# Altium PCB PCB1.PcbDoc
Units mm, origin at the board's own origin, x right, y up, seen from the top; angles counter-clockwise.
Board outline 130 x 33 mm, 2 copper layers (Top Layer, Bottom Layer), stack 1.171 mm thick; 9 components, 17 nets, 73 pads, 16 vias.
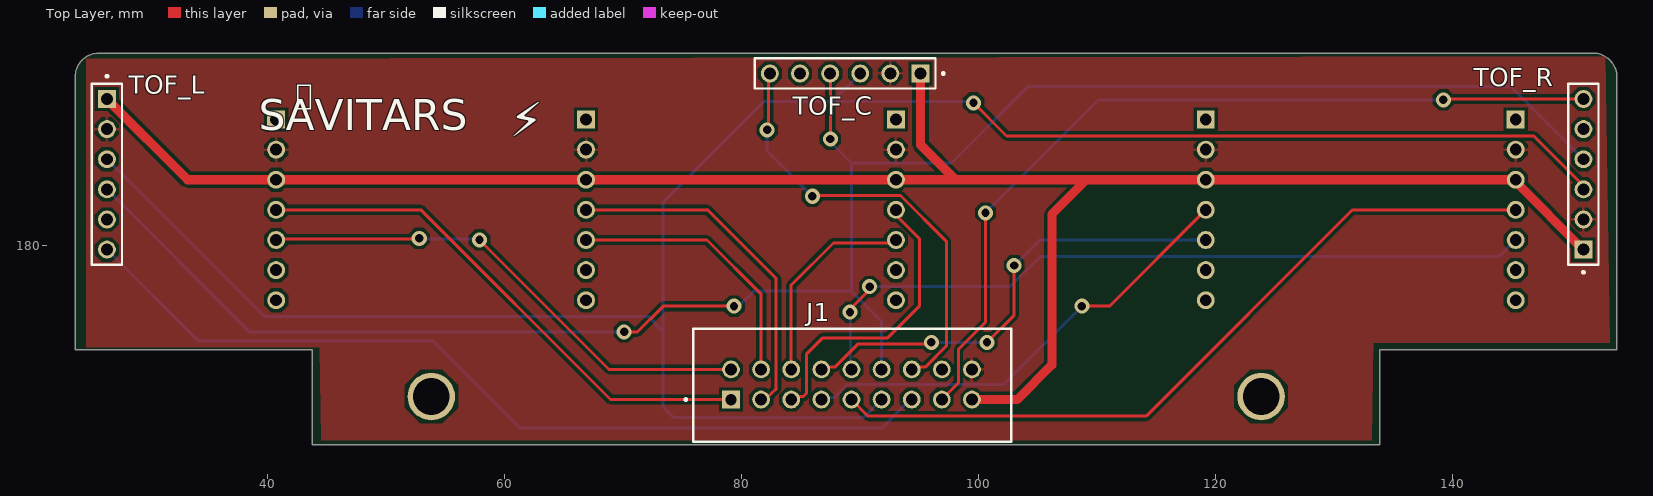
[diagram p0: Top Layer view]
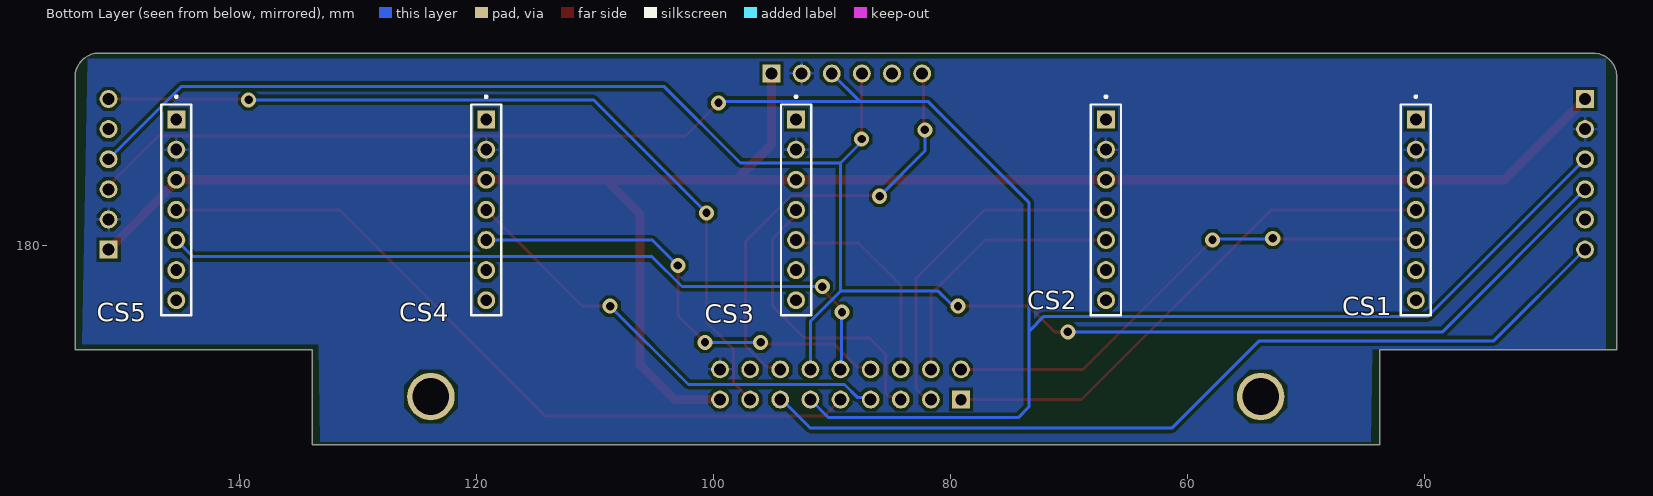
[diagram p1: Bottom Layer view, seen from below]
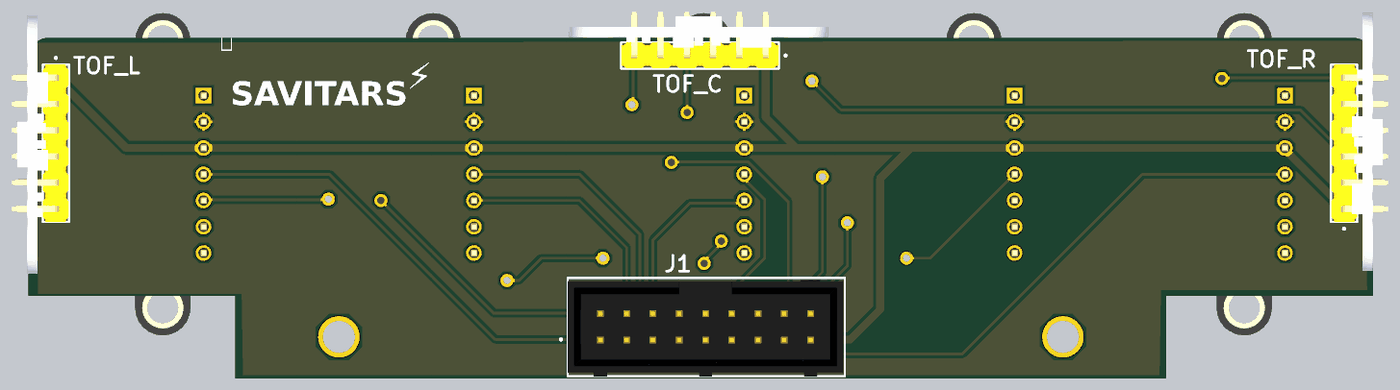
[diagram p2: 3D render of the assembled board from above, using the file's embedded part models]
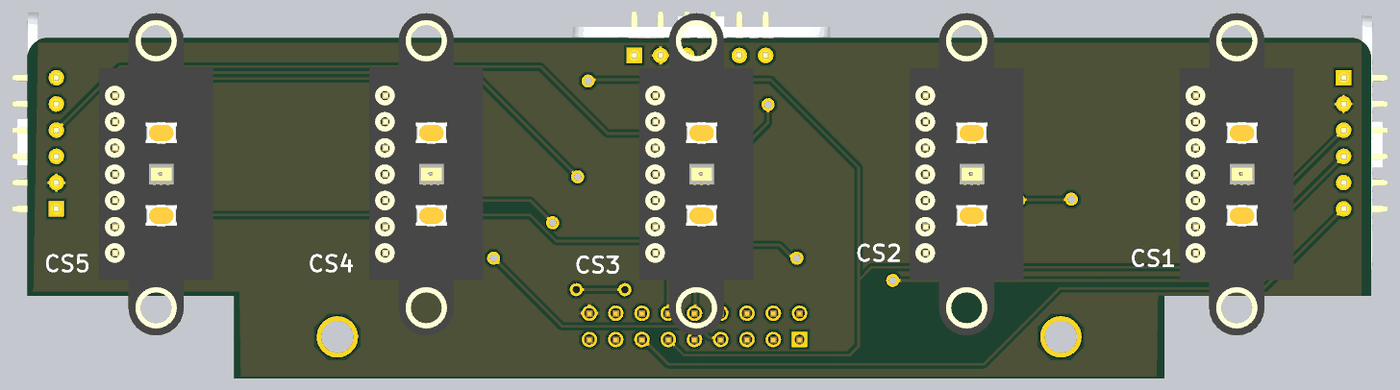
[diagram p3: 3D render of the assembled board from below, using the file's embedded part models]

## Layer stack, top to bottom
Top Solder: solder mask 0.0102, Solder Resist, Dk 3.5
Top Layer: signal copper 0.0356
Dielectric 1: dielectric 1.1, FR-4, Dk 4.8
Bottom Layer: signal copper 0.0356
Bottom Solder: solder mask 0.0102, Solder Resist, Dk 3.5

## Board outline
23.819,171.215 23.819,194.215 cw(c25.819,194.215) 25.819,196.215 151.819,196.215 cw(c151.819,194.215) 153.819,194.215 153.819,171.215 133.819,171.215 133.819,163.215 43.819,163.215 43.819,171.215

## Design rules (kind name [scope] priority, off if disabled: settings)
Clearance Clearance_6 [All] p1: gap=0.254 ignorepadtopadclearanceinfootprint=FALSE
Clearance Clearance_5 [All] p2: gap=0.254 ignorepadtopadclearanceinfootprint=FALSE
Clearance Clearance_4 [All] p3: gap=0.254 ignorepadtopadclearanceinfootprint=FALSE
Clearance Clearance_3 [All] p4: gap=0.254 ignorepadtopadclearanceinfootprint=FALSE
Clearance Clearance_2 [All] p5: gap=0.254 ignorepadtopadclearanceinfootprint=FALSE
Clearance Clearance_1 [All] p6: gap=0.254 ignorepadtopadclearanceinfootprint=FALSE
Clearance [All] p7: gap=0.254 ignorepadtopadclearanceinfootprint=FALSE
HoleSize [All] p1: absolutevalues=TRUE maxlimit=5 minlimit=0.025 maxpercent=80.000 minpercent=20.000
PolygonConnect [All] p1: connectstyle=Relief reliefconductorwidth=0.254 reliefentries=4 polygonreliefangle="90 Angle" airgapwidth=0.254
RoutingVias [All] p1: holewidth=0.711 width=1.27 viastyle="Through Hole" minholewidth=0.711 minwidth=1.27 maxholewidth=0.711 maxwidth=1.27
SolderMaskExpansion [All] p1: expansion=0.102 istentingtop=FALSE
Width Power_Width [InNet('VCC')] p1: maxlimit=0.762 minlimit=0.508 preferedwidth=0.762 minimp=50.000000 maximp=50.000000 favimp=50.000000
Width [All] p2: maxlimit=0.254 minlimit=0.254 preferedwidth=0.254
29 further rules are at their usual default settings.

## Components (designator, comment, footprint, x,y, rotation, side; value= is the part's Value field where it differs from the comment)
CS1 "7 pin header" "7 pin header holes" 40.767,183 r270 bottom locked
CS2 "7 pin header" "7 pin header holes" 66.897,183 r270 bottom locked
CS3 "7 pin header" "7 pin header holes" 93.027,183 r270 bottom locked
CS4 "7 pin header" "7 pin header holes" 119.158,183 r270 bottom locked
CS5 "7 pin header" "7 pin header holes" 145.288,183 r270 bottom locked
J1 "18pin IDC" "IDC 18 pin" 90.551,168.275 r0 top locked
TOF_C "6 pin header" "6 pin header" 88.75,194.5 r180 top locked
TOF_L "6 pin header" "6 pin header" 26.5,186 r270 top locked
TOF_R "6 pin header" "6 pin header" 151,186 r90 top

## Footprints (in the part's own frame and the unit in brackets; to place one, negate y for a bottom-side part, rotate by r counter-clockwise, add the part's x,y. Pads: shape width x height; smd on the part's side, far side on the other; paste and mask are expansions set on the pad)
"6 pin header" [mm]
  round 1.508 hole 1: GND(-3.81,0) GPIO1(3.81,0) SCL(-1.27,0) SDA(1.27,0) XSHUT(6.35,0)
  rect 1.508x1.508 / inner round 1.508 / far side rect 1.508x1.508 hole 1: VCC(-6.35,0)
  silkscreen extent -8.37,-1.27 7.62,1.27, body extent -12.36,-4.27 12.62,1.23, height 13.75
"7 pin header holes" [mm]
  round 1.508 hole 1: 3V3(-2.54,0) GND(-5.08,0) INT(5.08,0) LED(7.62,0) SCL(0,0) SDA(2.54,0)
  rect 1.508x1.508 / inner round 1.508 / far side rect 1.508x1.508 hole 1: VIN(-7.62,0)
  silkscreen extent -9.64,-1.27 8.89,1.27, body extent -15.59,-1.56 15.59,9.44, height 8.08
"IDC 18 pin" [mil]
  round 59 hole 39.5: GND(350,50) NULL(250,50) SCL2(-350,-50) SCL3(-250,-50) SCL4(-150,-50) SCL5(-50,-50) SCLTOF(50,-50) SDA1(-450,50) SDA2(-350,50) SDA3(-250,50) SDA4(-150,50) SDA5(-50,50) SDATOF(50,50) VCC(350,-50) XSHUT1(150,-50) XSHUT2(150,50) XSHUT3(250,-50)
  rect 59x59 / inner round 59 / far side rect 59x59 hole 38: SCL1(-450,-50)
  silkscreen extent -604,-190 480,185, body extent -575,-192 475,177, height 365

## Part data
CS1 CS2 CS3 CS4 CS5: "14 Position Header Connector Male Pin Gold", Package=None, Check_prices=https://www.snapeda.com/parts/TS-114-G-AA/Samtec/view-part/?ref=eda, MF=Samtec, MP=TS-114-G-AA, SnapEDA_Link=https://www.snapeda.com/parts/TS-114-G-AA/Samtec/view-part/?ref=snap
J1: "Slim Body Double-Row IDC Male Assemblies, 0.100 Pitch", Package=None, Check_prices=https://www.snapeda.com/parts/IDMD-10-S-07.00-G/Samtec/view-part/?ref=eda, MF=SAMTEC, MP=IDMD-10-S-07.00-G, SnapEDA_Link=https://www.snapeda.com/parts/IDMD-10-S-07.00-G/Samtec/view-part/?ref=snap
TOF_C TOF_L TOF_R: "6 Position Header Connector Male Pin Gold", Package=None, Check_prices=https://www.snapeda.com/parts/TS-114-G-AA/Samtec/view-part/?ref=eda, MF=Samtec, MP=TS-114-G-AA, SnapEDA_Link=https://www.snapeda.com/parts/TS-114-G-AA/Samtec/view-part/?ref=snap

## Free pads (board coordinates)
  round 4 hole 3.1: 25(53.848,167.259) 26(123.825,167.259)

## Via types
v1: diameter 1.27, hole 0.711, Top Layer to Bottom Layer, 16 vias

## Nets (pads, with @x,y where several pads share a name; then routed paths per layer and width w, separated by ;. In a path a pad name is that pad's centre, name@x,y a point inside that pad or via, vN(x,y) a via of type N, cw(c..) or ccw(c..) an arc to the next point about the centre after c; other vN are vias at no path point)
GND: CS1.GND CS2.GND CS3.GND CS4.GND CS5.GND J1.GND TOF_C.GND TOF_L.GND TOF_R.GND
SCL1: CS1.SCL J1.SCL1 | length 45
  Top Layer w0.254: CS1.SCL 52.966,183 68.961,167.005 J1.SCL1
SCL2: CS2.SCL J1.SCL2 | length 29.4
  Top Layer w0.254: CS2.SCL 77.082,183 77.111,183.029 82.931,177.209 82.931,167.916 82.618,167.602 82.595,167.602 81.998,167.005 J1.SCL2
SCL3: CS3.SCL J1.SCL3 | length 25.4
  Top Layer w0.254: J1.SCL3 84.439,167.243 85.201,167.243 85.471,167.513 85.471,170.815 86.868,172.212 92.329,172.212 94.996,174.879 94.996,180.594 93.267,182.323 93.267,182.421 92.808,182.88 92.71,182.88 92.83,183 CS3.SCL
SCL4: CS4.SCL J1.SCL4 | length 39
  Top Layer w0.254: v1(108.712,174.879) 111.037,174.879 CS4.SCL
  Bottom Layer w0.254: J1.SCL4 86.93,167.194 87.871,167.194 88.953,168.275 102.108,168.275 v1(108.712,174.879)
SCL5: CS5.SCL J1.SCL5 | length 63.8
  Top Layer w0.254: J1.SCL5 90.678,165.608 114.134,165.608 131.526,183 CS5.SCL
SCL_TOF: J1.SCLTOF TOF_C.SCL TOF_L.SCL TOF_R.SCL | length 177.4
  Top Layer w0.254: v1(99.568,192.024) 102.362,189.23 146.812,189.23 151,185.042 TOF_R.SCL
  Bottom Layer w0.254: TOF_L.SCL 39.78,173.99 72.176,173.99 72.727,173.438 72.727,173.399 73.406,172.72 ; TOF_C.SCL 87.671,192.151 ; J1.SCLTOF 90.297,165.481 74.295,165.481 73.406,166.37 73.406,172.72 ; v1(99.568,192.024) 99.441,192.151 87.671,192.151 ; TOF_R.SCL TOF_R.SCL@151,184.788 ; 73.406,172.72 73.406,183.642 81.915,192.151 87.671,192.151
SDA1: CS1.SDA J1.SDA1 | length 43
  Top Layer w0.254: CS1.SDA 40.834,180.527 52.765,180.527 v1(52.832,180.594) ; v1(57.912,180.467) 68.834,169.545 J1.SDA1
  Bottom Layer w0.254: v1(52.832,180.594) 52.895,180.53 57.848,180.53 v1(57.912,180.467)
SDA2: CS2.SDA J1.SDA2 | length 23
  Top Layer w0.254: CS2.SDA 77.096,180.46 81.661,175.895 J1.SDA2
SDA3: CS3.SDA J1.SDA3 | length 17.7
  Top Layer w0.254: J1.SDA3 84.201,176.657 87.757,180.213 92.441,180.213 92.448,180.22 CS3.SDA@93.084,180.22 ; CS3.SDA 93.027,180.276 CS3.SDA@93.084,180.22 ; CS3.SDA@93.091,180.213 CS3.SDA@93.084,180.22
SDA4: CS4.SDA J1.SDA4 | length 39.4
  Top Layer w0.254: J1.SDA4 86.93,169.734 87.871,169.734 89.842,171.704 95.885,171.704 v1(96.012,171.831) ; v1(100.711,171.831) 102.997,174.117 v1(102.997,178.308)
  Bottom Layer w0.254: v1(96.012,171.831) v1(100.711,171.831) ; v1(102.997,178.308) 105.149,180.46 CS4.SDA
SDA5: CS5.SDA J1.SDA5 | length 63.8
  Top Layer w0.254: v1(89.154,174.371) 89.154,174.625 90.805,176.276 v1(90.805,176.53)
  Bottom Layer w0.254: v1(89.154,174.371) 89.218,174.308 89.218,169.608 J1.SDA5 ; v1(90.805,176.53) 102.656,176.53 105.181,179.055 143.883,179.055 CS5.SDA
SDA_TOF: J1.SDATOF TOF_C.SDA TOF_L.SDA TOF_R.SDA | length 163.2
  Top Layer w0.254: v1(70.104,172.72) 71.247,172.72 73.406,174.879 v1(79.375,174.879) ; TOF_C.SDA 87.492,194.488 87.492,188.987 v1(87.503,188.976)
  Bottom Layer w0.254: TOF_L.SDA 38.51,172.72 v1(70.104,172.72) ; v1(79.375,174.879) 79.569,175.073 79.972,175.073 81.048,176.149 89.281,176.149 ; v1(87.503,188.976) 87.503,188.723 89.281,186.945 ; J1.SDATOF@92.059,169.783 J1.SDATOF 91.821,173.609 89.281,176.149 ; TOF_R.SDA 144.849,193.421 104.184,193.421 97.708,186.945 89.281,186.945 ; 89.281,176.149 89.281,186.945
VCC: CS1.3V3 CS2.3V3 CS3.3V3 CS4.3V3 CS5.3V3 J1.VCC TOF_C.VCC TOF_L.VCC TOF_R.VCC | length 164.7
  Top Layer w0.762: TOF_L.VCC 33.31,185.54 CS1.3V3 ; CS1.3V3@40.894,185.54 CS2.3V3 CS3.3V3 98.051,185.54 ; TOF_C.VCC 95.1,188.491 98.051,185.54 ; J1.VCC 103.251,167.005 106.172,169.926 106.172,182.626 109.086,185.54 ; TOF_R.VCC 145.288,185.362 CS5.3V3 CS4.3V3 109.086,185.54 ; 98.051,185.54 109.086,185.54
XSHUT1: J1.XSHUT1 TOF_L.XSHUT | length 75.1
  Bottom Layer w0.254: TOF_L.XSHUT 34.192,171.958 53.975,171.958 61.341,164.592 91.821,164.592 94.234,167.005 J1.XSHUT1
XSHUT2: J1.XSHUT2 TOF_C.XSHUT | length 37.5
  Top Layer w0.254: v1(82.169,189.738) 82.285,189.854 82.285,194.385 TOF_C.XSHUT ; v1(85.979,184.15) 86.039,184.21 93.423,184.21 97.282,180.351 97.282,171.524 95.491,169.734 94.55,169.734 J1.XSHUT2
  Bottom Layer w0.254: v1(82.169,189.738) 82.169,187.96 v1(85.979,184.15)
XSHUT3: J1.XSHUT3 TOF_R.XSHUT | length 71.7
  Top Layer w0.254: J1.XSHUT3 98.311,168.415 98.311,171.252 100.584,173.526 v1(100.584,182.753) ; v1(139.192,192.278) 139.264,192.35 TOF_R.XSHUT
  Bottom Layer w0.254: v1(100.584,182.753) 110.109,192.278 v1(139.192,192.278)
pads on no net: CS1.INT CS1.LED CS1.VIN CS2.INT CS2.LED CS2.VIN CS3.INT CS3.LED CS3.VIN CS4.INT CS4.LED CS4.VIN CS5.INT CS5.LED CS5.VIN J1.NULL TOF_C.GPIO1 TOF_L.GPIO1 TOF_R.GPIO1

## Polygon pours and split planes (outlines as drawn)
GND on Top Layer "GND" (solid, remove dead copper, pour order 2): 152.841,195.934 153.227,171.807 133.297,171.807 133.167,163.576 44.577,163.576 44.45,171.407 43.819,171.407 24.765,171.407 24.765,195.729
GND on Bottom Layer "GND" (solid, remove dead copper, pour order 3): 152.776,195.728 153.227,171.667 133.297,171.667 133.167,163.436 44.577,163.436 44.45,171.267 43.819,171.267 24.765,171.267 24.765,195.728

## Silkscreen, mask and mechanical layers (free items; w line width, h text height)
Top Overlay:
  text "✨" at 42.418,191.262 h3
  text "SAVITARS" at 39.307,188.849 h4.5
  text "⚡" at 60.452,188.214 h5
Mechanical 1:
  circle w0.013: c53.819,167.215 r2
  circle w0.013: c123.819,167.215 r2
  lines w0.013: 23.819,171.215 23.819,194.215 cw(c25.819,194.215) 25.819,196.215 151.819,196.215 cw(c151.819,194.215) 153.819,194.215 153.819,171.215 133.819,171.215 133.819,163.215 43.819,163.215 43.819,171.215 23.819,171.215